# Altium PCB Mixed_Signal_Board_PCB.PcbDoc (part 1 of 4) (continued)
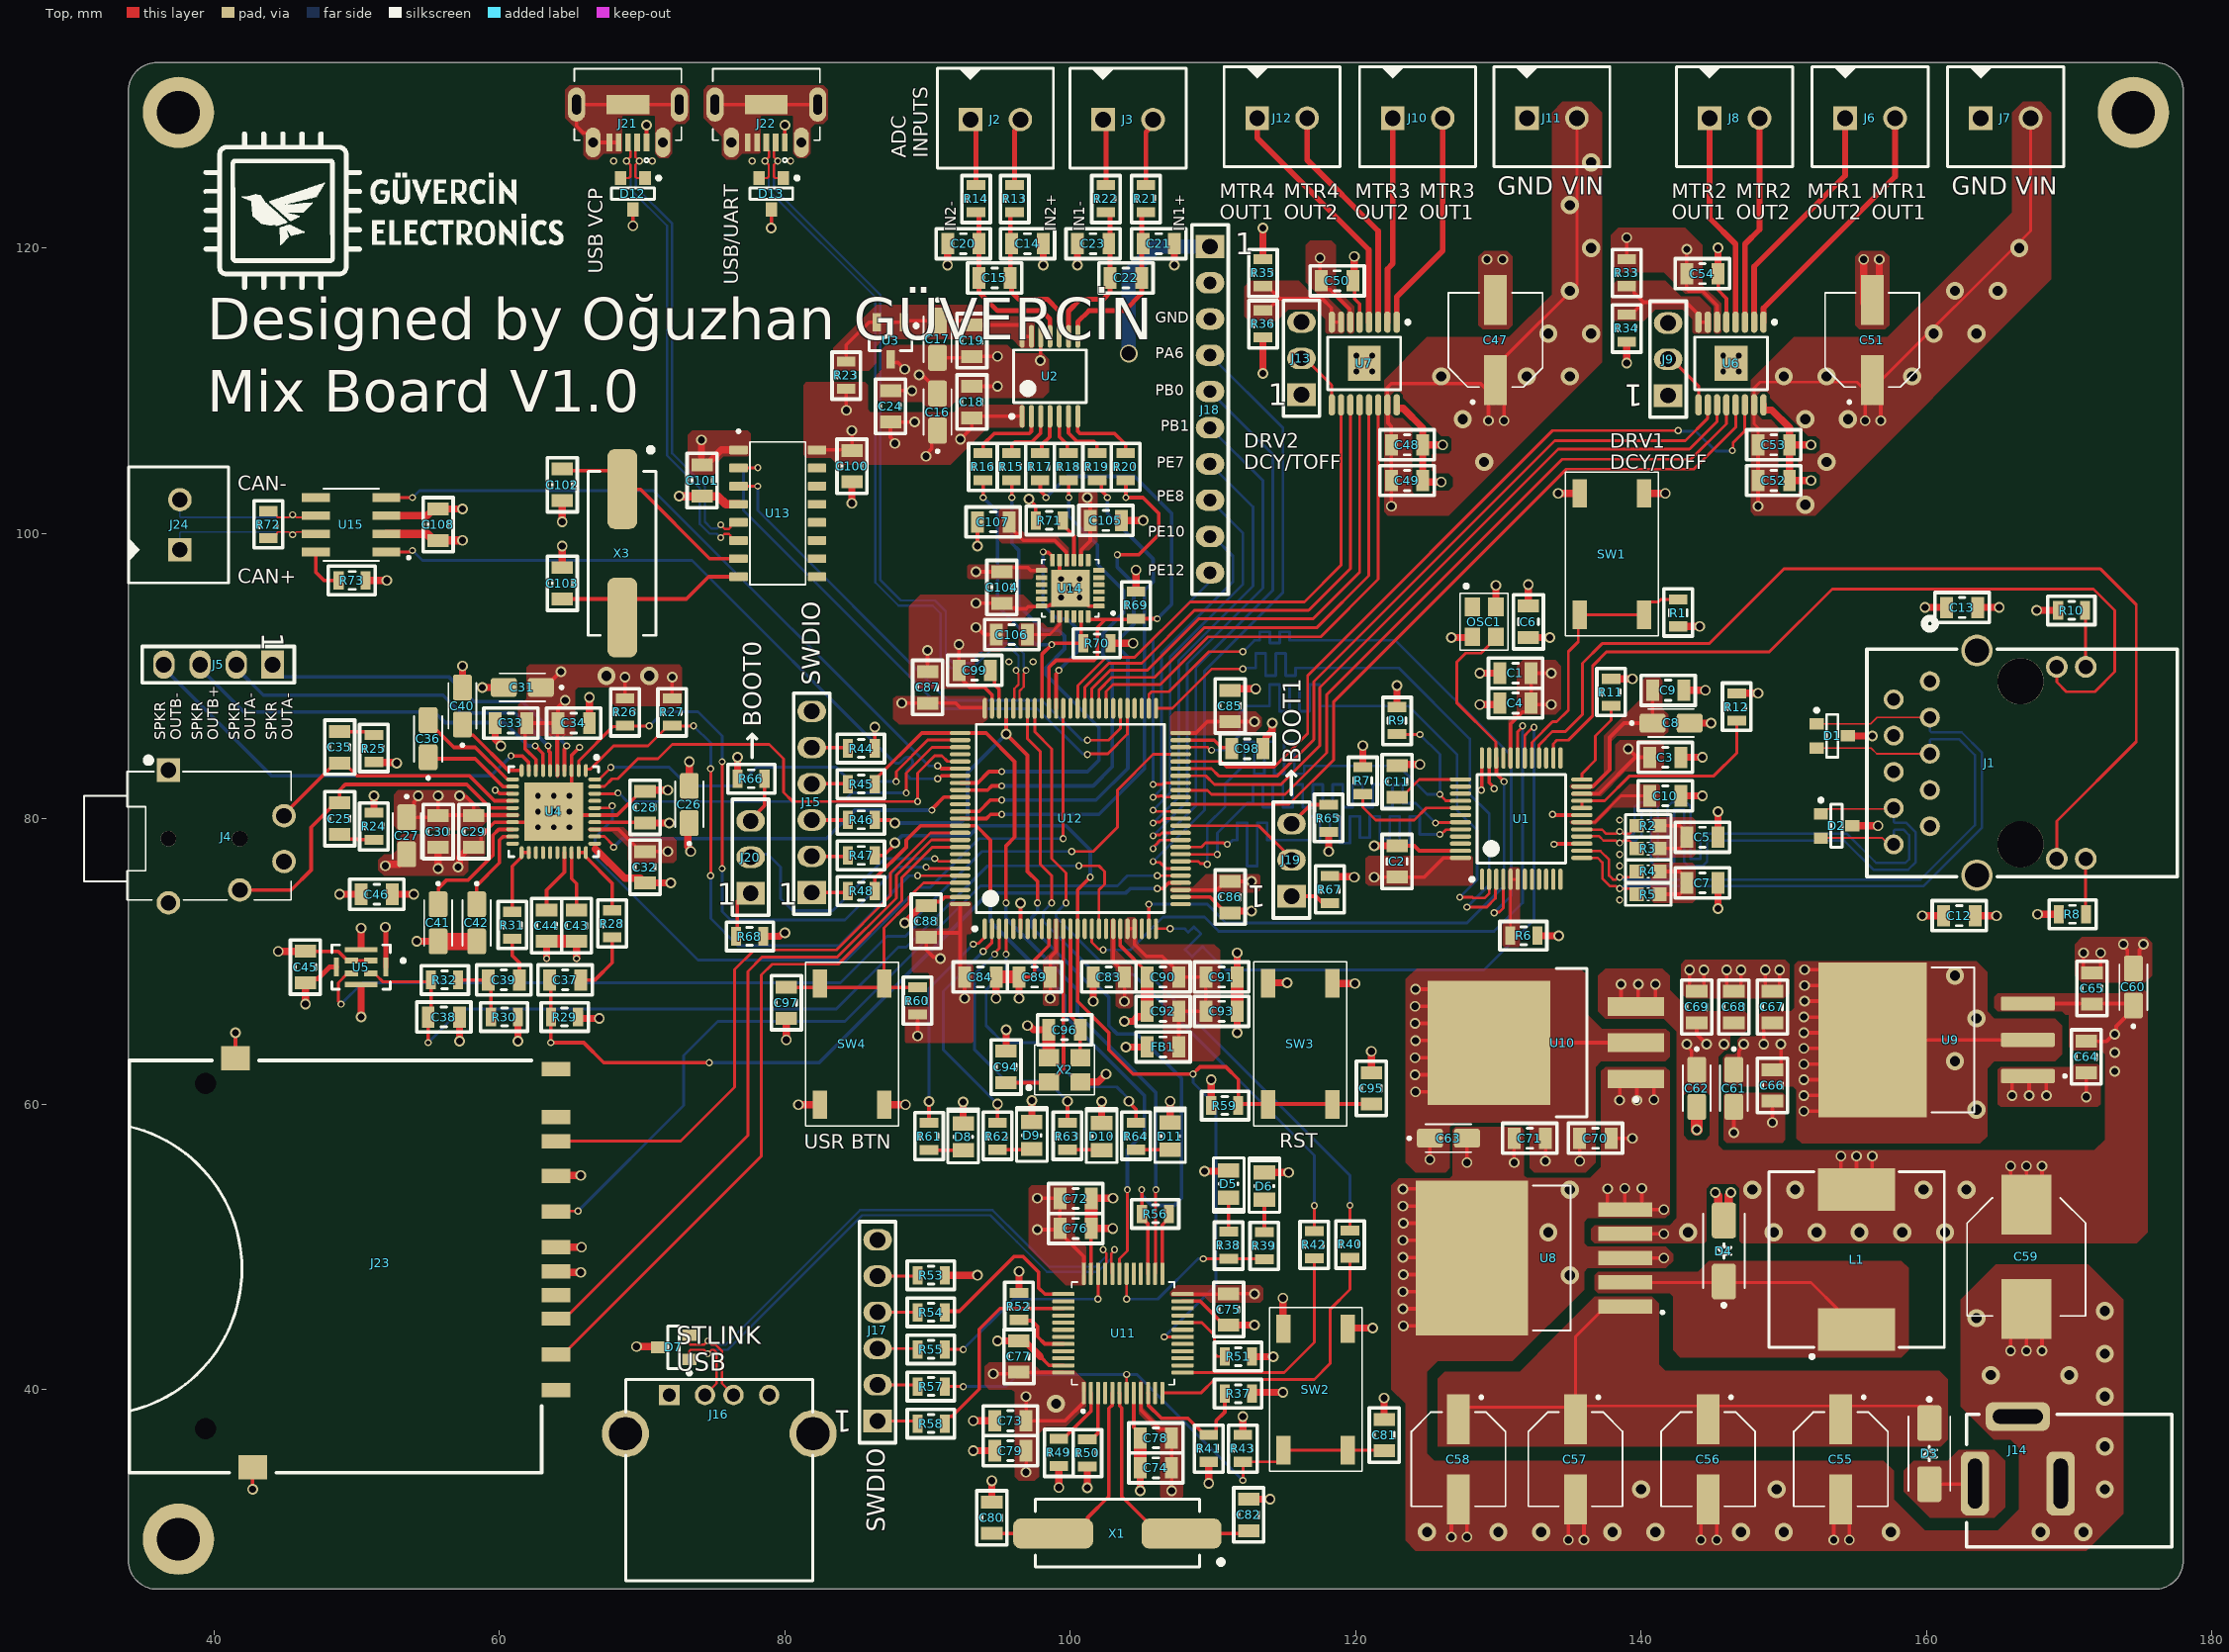
[diagram p0: Top view]
## Classes and differential pairs
net class SD: SD_CS SD_MISO SD_MOSI SD_SCK
differential pair class CAN_120OHM: CAN
net class STM_IO: ADC_BUFF_EN ADC_CLK ADC_MUX ADC_TEMP_EN CAN_RX CAN_TX CH340_RXD CH340_TXD DAC_LCLK DAC_MCLK DAC_RESET DAC_SCL DAC_SCLK DAC_SDA DAC_SDIN DRV1_AIN1 DRV1_AIN2 DRV1_BIN1 DRV1_BIN2 DRV1_SLEEP DRV2_AIN1 DRV2_AIN2 DRV2_BIN1 DRV2_BIN2 DRV2_SLEEP ETH_CRS_DV ETH_MDC ETH_MDIO ETH_REF_CLK ETH_RXD_0 ETH_RXD_1 ETH_TX_EN ETH_TXD_0 ETH_TXD_1 F407_USR_BTN IMU_INT IMU_SCL/ADC_SCLK IMU_SDA/ADC_DOUT LED_BLUE LED_GREEN LED_RED LED_YELLOW MIC_CLK MIC_DOUT PA0 PA3 PA4 PA6 PB0 PB1 PB7 PB14 PB15 PC0 PC3 PC6 PC11 PC13 PC14 PC15 PD5 PD10 PE1 PE6 PE7 PE8 PE10 PE12 SD_CS SD_MISO SD_MOSI SD_SCK STLINK_RX STLINK_TX USB_FS_N USB_FS_P
net class STLINKV2: NetR37_1 NetR40_1 NetR42_1 NetR51_1 NetR56_2 NetU11_11 NetU11_14 NetU11_15 NetU11_16 NetU11_17 NetU11_19 NetU11_21 NetU11_22 NetU11_28 NetU11_29 NetU11_38 NetU11_40 NetU11_41 NetU11_42 NetU11_43 NetU11_45 NetU11_46 STLINK_LED STLINK_RX STLINK_TX STLINK_USB_D_N STLINK_USB_D_P STM_JTCK/SWCLK STM_JTDO/SWO STM_JTMS/SWDIO STM_NRST T_JTCK/SWCLK T_JTMS/SWDIO T_NRST T_SWO
net class RMII: ETH_CRS_DV ETH_MDC ETH_MDIO ETH_RXD_0 ETH_RXD_1 ETH_TX_EN ETH_TXD_0 ETH_TXD_1 NetU1_1 NetU1_38 NetU1_39 NetU1_42 NetU1_45 NetU1_46
net class DAC_OUT: DAC_LCLK DAC_MCLK DAC_RESET DAC_SCL DAC_SCLK DAC_SDA DAC_SDIN
net class ADC_OUT: ADC_BUFF_EN ADC_CLK ADC_MUX ADC_TEMP_EN IMU_SCL/ADC_SCLK IMU_SDA/ADC_DOUT
net class ADC_IN: AINN1 AINN2 AINP1 AINP2
differential pair class USB_90OHM: CH340_USB STLINK_USB_D USB_FS
differential pair class ETH_100OHM: RD TD
component class "STM32F407 MCU": C83 C84 C85 C86 C87 C88 C89 C90 C91 C92 C93 C94 C95 C96 C97 C98 C99 D8 D9 D10 D11 FB1 J18 J19 J20 R59 R60 R61 R62 R63 R64 R65 R66 R67 R68 SW3 SW4 U12 X2
component class "STM32F103 MCU": C72 C73 C74 C75 C76 C77 C78 C79 C80 C81 C82 D5 D6 D7 J15 J16 J17 R37 R38 R39 R40 R41 R42 R43 R44 R45 R46 R47 R48 R49 R50 R51 R52 R53 R54 R55 R56 R57 R58 SW2 U11 X1
component class "Power Input and Buck Convertors": C55 C56 C57 C58 C59 C60 C61 C62 C63 C64 C65 C66 C67 C68 C69 C70 C71 D3 D4 J14 L1 U8 U9 U10
component class "Motor Driver": C47 C48 C49 C50 C51 C52 C53 C54 J6 J7 J8 J9 J10 J11 J12 J13 R33 R34 R35 R36 U6 U7
component class "IMU-SD Card-CAN-CH340": C100 C101 C102 C103 C104 C105 C106 C107 C108 D12 D13 J21 J22 J23 J24 R69 R70 R71 R72 R73 U13 U14 U15 X3
component class "Ethernet PHY": C1 C2 C3 C4 C5 C6 C7 C8 C9 C10 C11 C12 C13 D1 D2 J1 OSC1 R1 R2 R3 R4 R5 R6 R7 R8 R9 R10 R11 R12 SW1 U1
component class "DAC and MIC": C25 C26 C27 C28 C29 C30 C31 C32 C33 C34 C35 C36 C37 C38 C39 C40 C41 C42 C43 C44 C45 C46 J4 J5 R24 R25 R26 R27 R28 R29 R30 R31 R32 U4 U5
component class ADC: C14 C15 C16 C17 C18 C19 C20 C21 C22 C23 C24 J2 J3 R13 R14 R15 R16 R17 R18 R19 R20 R21 R22 R23 U2 U3
differential pair USB_FS: +USB_FS_P -USB_FS_N
differential pair TD: +TD_P -TD_N
differential pair STLINK_USB_D: +STLINK_USB_D_P -STLINK_USB_D_N
differential pair RD: +RD_P -RD_N
differential pair CH340_USB: +CH340_USB_P -CH340_USB_N
differential pair CAN: +CAN_P -CAN_N

## Components (designator, comment, footprint, x,y, rotation, side; value= is the part's Value field where it differs from the comment)
C1 "CAP_0.1uF_%20_50V_0805_X7R_CER" 0805_CAP 131.2,90.2 r0 top
C2 "CAP_0.1uF_%20_50V_0805_X7R_CER" 0805_CAP 122.9,77 r270 top
C3 "CAP_0.1uF_%20_50V_0805_X7R_CER" 0805_CAP 141.7,84.3 r180 top
C4 "CAP_10nF_%10_50V_0805_X7R_CER" 0805_CAP 131.2,88.1 r0 top
C5 "CAP_0.1uF_50V_0805_X7R_CER" 0805_CAP 144.3,78.7 r180 top
C6 "CAP_0.1uF_50V_0805_X7R_CER" 0805_CAP 132.1,93.8 r90 top
C7 "CAP_0.1uF_50V_0805_X7R_CER" 0805_CAP 144.3,75.5 r180 top
C8 "CAP_10uF_10V_10%_1206_TANT" 1206_TANT_CAP 142.1,86.7 r0 top
C9 "CAP_0.1uF_%20_50V_0805_X7R_CER" 0805_CAP 141.9,89 r180 top
C10 "CAP_0.1uF_%20_50V_0805_X7R_CER" 0805_CAP 141.7,81.6 r180 top
C11 "CAP_0.1uF_%20_50V_0805_X7R_CER" 0805_CAP 122.9,82.6 r270 top
C12 "CAP_0.1uF_50V_0805_X7R_CER" 0805_CAP 162.3,73.2 r0 top
C13 "CAP_0.1uF_50V_0805_X7R_CER" 0805_CAP 162.5,94.8 r0 top
C14 "CAP_220pF_50V_0805_C0G/NP0_CER" 0805_CAP 97,120.3 r0 top
C15 "CAP_0.1uF_50V_0805_X7R_CER" 0805_CAP 94.7,117.9 r0 top
C16 "CAP_10uF_10V_10%_1206_TANT" 1206_TANT_CAP 90.7,108.5 r90 top
C17 "CAP_10uF_10V_10%_1206_TANT" 1206_TANT_CAP 90.7,113.6 r270 top
C18 "CAP_0.1uF_50V_0805_X7R_CER" 0805_CAP 93.1,109.2 r270 top
C19 "CAP_0.1uF_50V_0805_X7R_CER" 0805_CAP 93.1,113.5 r90 top
C20 "CAP_220pF_50V_0805_C0G/NP0_CER" 0805_CAP 92.5,120.3 r0 top
C21 "CAP_220pF_50V_0805_C0G/NP0_CER" 0805_CAP 106.2,120.3 r0 top
C22 "CAP_0.1uF_50V_0805_X7R_CER" 0805_CAP 103.9,117.9 r0 top
C23 "CAP_220pF_50V_0805_C0G/NP0_CER" 0805_CAP 101.6,120.3 r0 top
C24 "CAP_10nF_%10_50V_0805_X7R_CER" 0805_CAP 87.4,108.9 r270 top
C25 "CAP_22nF_50V_0805_X7R_CER" 0805_CAP 48.8,80 r270 top
C26 "CAP_1uF_10%_16V_1206_TANT" 1206_TANT_CAP 73.3,81 r90 top
C27 "CAP_1uF_10%_16V_1206_TANT" 1206_TANT_CAP 53.5,78.8 r270 top
C28 "CAP_0.1uF_50V_0805_X7R_CER" 0805_CAP 70.2,80.8 r270 top
C29 "CAP_0.1uF_50V_0805_X7R_CER" 0805_CAP 58.2,79.1 r90 top
C30 "CAP_0.1uF_50V_0805_X7R_CER" 0805_CAP 55.7,79.1 r90 top
C31 "CAP_10uF_10V_10%_1206_TANT" 1206_TANT_CAP 61.6,89.2 r180 top
C32 "CAP_0.1uF_50V_0805_X7R_CER" 0805_CAP 70.2,76.6 r90 top
C33 "CAP_0.1uF_50V_0805_X7R_CER" 0805_CAP 60.8,86.7 r0 top
C34 "CAP_0.1uF_50V_0805_X7R_CER" 0805_CAP 65.2,86.7 r180 top
C35 "CAP_22nF_50V_0805_X7R_CER" 0805_CAP 48.8,85 r90 top
C36 "CAP_1uF_10%_16V_1206_TANT" 1206_TANT_CAP 55,85.6 r90 top
C37 "1uF" 0805_CAP 64.6,68.7 r180 top
C38 "CAP_10nF_%10_50V_0805_X7R_CER" 0805_CAP 56.1,66.1 r180 top
C39 "1uF" 0805_CAP 60.3,68.7 r180 top
C40 "CAP_1uF_10%_16V_1206_TANT" 1206_TANT_CAP 57.4,87.9 r90 top
C41 "CAP_10uF_10V_10%_1206_TANT" 1206_TANT_CAP 55.7,72.7 r270 top
C42 "CAP_1uF_10%_16V_1206_TANT" 1206_TANT_CAP 58.4,72.7 r270 top
C43 "CAP_150pF_%5_50V_0805_C0G/NP0_CER" 0805_CAP 65.4,72.5 r90 top
C44 "CAP_150pF_%5_50V_0805_C0G/NP0_CER" 0805_CAP 63.3,72.5 r90 top
C45 "CAP_0.1uF_50V_0805_X7R_CER" 0805_CAP 46.4,69.6 r90 top
C46 "1uF" 0805_CAP 51.4,74.7 r0 top
C47 "CAP_100uF_%20_25V_ALUM_SMD" RADIAL-2_6.3MMX7.7MM 129.8,113.55 r90 top
C48 "CAP_0.1uF_50V_0805_X7R_CER" 0805_CAP 123.6,106.2 r180 top
C49 "CAP_0.1uF_50V_0805_X7R_CER" 0805_CAP 123.6,103.7 r180 top
C50 "CAP_0.47uF_%10_0805_25V_X7R_CER" 0805_CAP 118.7,117.7 r180 top
C51 "CAP_100uF_%20_25V_ALUM_SMD" RADIAL-2_6.3MMX7.7MM 156.2,113.55 r90 top
C52 "CAP_0.1uF_50V_0805_X7R_CER" 0805_CAP 149.3,103.7 r180 top
C53 "CAP_0.1uF_50V_0805_X7R_CER" 0805_CAP 149.3,106.2 r180 top
C54 "CAP_0.47uF_%10_0805_25V_X7R_CER" 0805_CAP 144.3,118.2 r180 top
C55 "CAP_100uF_%20_25V_ALUM_SMD" RADIAL-2_6.3MMX7.7MM 154,35.1 r270 top
C56 "CAP_100uF_%20_25V_ALUM_SMD" RADIAL-2_6.3MMX7.7MM 144.7,35.1 r270 top
C57 "CAP_100uF_%20_25V_ALUM_SMD" RADIAL-2_6.3MMX7.7MM 135.4,35.1 r270 top
C58 "CAP_100uF_%20_25V_ALUM_SMD" RADIAL-2_6.3MMX7.7MM 127.2,35.1 r270 top
C59 "CAP_330uF_%20_25V_ALUM_SMD" RADIAL-2_8MMX10MM 167,49.3 r270 top
C60 "CAP_10uF_10%_1206_10V_TANT" 1206_TANT_CAP 174.5,68.2 r90 top
C61 "CAP_10uF_10%_1206_10V_TANT" 1206_TANT_CAP 146.5,61.1 r270 top
C62 "CAP_10uF_10%_1206_10V_TANT" 1206_TANT_CAP 143.9,61.1 r270 top
C63 "CAP_10uF_10%_1206_10V_TANT" 1206_TANT_CAP 126.5,57.6 r0 top
C64 "1uF" 0805_CAP 171.2,63.3 r90 top
C65 "CAP_0.1uF_%20_50V_0805_X7R_CER" 0805_CAP 171.6,68.1 r270 top
C66 "CAP_0.1uF_%20_50V_0805_X7R_CER" 0805_CAP 149.2,61.3 r90 top
C67 "1uF" 0805_CAP 149.2,66.8 r270 top
C68 "1uF" 0805_CAP 146.5,66.8 r270 top
C69 "CAP_0.1uF_%20_50V_0805_X7R_CER" 0805_CAP 143.9,66.8 r270 top
C70 "CAP_0.1uF_%20_50V_0805_X7R_CER" 0805_CAP 136.8,57.6 r180 top
C71 "1uF" 0805_CAP 132.2,57.6 r0 top
C72 "CAP_4.7uF_%10_0805_25V_X7R_CER" 0805_CAP 100.378,53.379 r180 top
C73 "1uF" 0805_CAP 95.8,37.8 r0 top
C74 "1uF" 0805_CAP 106,34.5 r0 top
C75 "CAP_0.1uF_%20_50V_0805_X7R_CER" 0805_CAP 111.1,45.6 r90 top
C76 "CAP_0.1uF_%20_50V_0805_X7R_CER" 0805_CAP 100.378,51.279 r180 top
C77 "CAP_0.1uF_%20_50V_0805_X7R_CER" 0805_CAP 96.4,42.3 r270 top
C78 "CAP_10nF_%10_50V_0805_X7R_CER" 0805_CAP 106,36.6 r0 top
C79 "CAP_10nF_%10_50V_0805_X7R_CER" 0805_CAP 95.8,35.7 r0 top
C80 "CAP_20pF_5%_50V_0805_C0G/NP0_CER" 0805_CAP 94.5,31 r270 top
C81 "CAP_100nF_50V_0805_C0G_CER" 0805_CAP 122,36.8 r90 top
C82 "CAP_20pF_5%_50V_0805_C0G/NP0_CER" 0805_CAP 112.5,31.2 r270 top
C83 "CAP_4.7uF_%10_0805_25V_X7R_CER" 0805_CAP 102.7,68.9 r0 top
C84 "CAP_0.1uF_%20_50V_0805_X7R_CER" 0805_CAP 93.7,68.9 r180 top
C85 "CAP_0.1uF_%20_50V_0805_X7R_CER" 0805_CAP 111.2,87.9 r270 top
C86 "CAP_0.1uF_%20_50V_0805_X7R_CER" 0805_CAP 111.2,74.5 r90 top
C87 "CAP_0.1uF_%20_50V_0805_X7R_CER" 0805_CAP 90,89.2 r270 top
C88 "CAP_0.1uF_%20_50V_0805_X7R_CER" 0805_CAP 89.9,72.8 r270 top
C89 "CAP_0.1uF_%20_50V_0805_X7R_CER" 0805_CAP 97.5,68.9 r0 top
C90 "CAP_0.1uF_%20_50V_0805_X7R_CER" 0805_CAP 106.5,68.9 r0 top
C91 "CAP_0.1uF_%20_50V_0805_X7R_CER" 0805_CAP 110.6,68.9 r180 top
C92 "1uF" 0805_CAP 106.5,66.5 r0 top
C93 "1uF" 0805_CAP 110.6,66.5 r180 top
C94 "CAP_10pF_%10_0805_50V_C0G/NPO_CER" 0805_CAP 95.5,62.6 r270 top
C95 "CAP_100nF_50V_0805_C0G_CER" 0805_CAP 121.1,61.1 r90 top
C96 "CAP_10pF_%10_0805_50V_C0G/NPO_CER" 0805_CAP 99.6,65.2 r0 top
C97 "CAP_100nF_50V_0805_C0G_CER" 0805_CAP 80.1,67.1 r270 top
C98 "2.2uF" 0805_CAP 112.4,84.9 r180 top
C99 "2.2uF" 0805_CAP 93.3,90.4 r0 top
C100 "CAP_0.1uF_%20_50V_0805_X7R_CER" 0805_CAP 84.7,104.7 r90 top
C101 "CAP_10nF_%10_50V_0805_X7R_CER" 0805_CAP 74.2,103.7 r270 top
C102 "CAP_30pF_%5_50V_0805_C0G/NP0_CER" 0805_CAP 64.4,103.4 r90 top
C103 "CAP_30pF_%5_50V_0805_C0G/NP0_CER" 0805_CAP 64.4,96.5 r270 top
C104 "CAP_0.1uF_%20_50V_0805_X7R_CER" 0805_CAP 95.2,96.2 r90 top
C105 "CAP_10nF_%10_50V_0805_X7R_CER" 0805_CAP 102.5,100.9 r180 top
C106 "CAP_2200pF_%10_50V_0805_X7R_CER" 0805_CAP 95.9,92.9 r0 top
C107 "CAP_0.1uF_%20_50V_0805_X7R_CER" 0805_CAP 94.6,100.8 r0 top
C108 "CAP_0.1uF_%20_50V_0805_X7R_CER" 0805_CAP 55.7,100.6 r90 top
D1 "DIODE_TVS_3.3VWM_8VC_SOT23" SOT170P237X110-3N 153.4,85.8 r0 top
D2 "DIODE_TVS_3.3VWM_8VC_SOT23" SOT170P237X110-3N 153.7,79.5 r0 top
D3 "D1FH3/5053" DIOM5226X220N_D1FH3/5053 160.2,35.5 r270 top
D4 "DIODE_SCHOTTKY_60V_3A_DO-214AC/SMA" DIOM5226X220N-SMA 145.8,49.7 r90 top
D5 "Red" DIOC2114X07N-0805-LED-RED 111.1,54.4 r90 top
D6 "Green" DIOC2114X07N-0805-LED-GREEN 113.6,54.25 r270 top
D7 "DIODE_TVS_3.3VWM_8VC_SOT23" SOT170P237X110-3N 72.2,42.95 r180 top
D8 "Blue" DIOC2114X07N-0805-LED-BLUE 92.5,57.7 r270 top
D9 "Green" DIOC2114X07N-0805-LED-GREEN 97.3,57.8 r270 top
D10 "Red" DIOC2114X07N-0805-LED-RED 102.2,57.725 r270 top
D11 "Yellow" DIOC2114X07N-0805-LED-YELLOW 107,57.75 r270 top
D12 "DIODE_TVS_3.3VWM_8VC_SOT23" SOT170P237X110-3N 69.35,123.8 r270 top
D13 "DIODE_TVS_3.3VWM_8VC_SOT23" SOT170P237X110-3N 79.05,123.8 r270 top
FB1 "FERRITE BEAD_330 OHM_70 mOHM DCR_0805_1LN" 0805_FB 106.5,64 r0 top
J1 "ARJM11C7-114-BA-EW2" ARJM11C7-114-BA-EW2_ABR 160.24,89.63 r90 top
J2 "CONN_1X2_Terminal Block" "1X2_TERMINAL BLOCK" 93,129 r0 top
J3 "CONN_1X2_Terminal Block" "1X2_TERMINAL BLOCK" 102.3,129 r0 top
J4 "SJ-43515TS" "CONN TRSS HEADPHONE JACK" 39.4,78.6 r0 top
J5 "CONN_1X4_2.54mm_Male Header" DIP_1X4_MALE_HEADER_2.54_PITCH 44.1,90.8 r180 top
J6 "CONN_1X2_Terminal Block" "1X2_TERMINAL BLOCK" 154.3,129.1 r0 top
J7 "CONN_1X2_Terminal Block" "1X2_TERMINAL BLOCK" 163.8,129.1 r0 top
J8 "CONN_1X2_Terminal Block" "1X2_TERMINAL BLOCK" 144.8,129.1 r0 top
J9 "CONN_1X3_2.54mm_Male Header" DIP_1X3_MALE_HEADER_2.54_PITCH 141.9,109.66 r90 top
J10 "CONN_1X2_Terminal Block" "1X2_TERMINAL BLOCK" 122.6,129.1 r0 top
J11 "CONN_1X2_Terminal Block" "1X2_TERMINAL BLOCK" 132,129.1 r0 top
J12 "CONN_1X2_Terminal Block" "1X2_TERMINAL BLOCK" 113.1,129.1 r0 top
J13 "CONN_1X3_2.54mm_Male Header" DIP_1X3_MALE_HEADER_2.54_PITCH 116.2,109.72 r90 top
J14 "CON_JACK_POWER_PCB TYPE_2MM_KLS" DC_POWER_JACK_2MM 169.4,33.4 r0 top
J15 "CONN_1X6_2.54m_Male Header" DIP_1X6_MALE_HEADER_2.54_PITCH 81.879,74.822 r90 top
J16 "CONN_RCPT_USB-TYPE A_A1HSW6" USB_2.0_B_OST_USB-A1HSW6 75.4,33.1 r0 top
J17 "CONN_1X6_2.54m_Male Header" DIP_1X6_MALE_HEADER_2.54_PITCH 86.5,37.78 r90 top
J18 "1x10-Male Header" DIP_1X10_FEMALE_HEADER_2.54_PITCH 109.8,120.1 r270 top
J19 "CONN_1X3_2.54mm_Male Header" DIP_1X3_MALE_HEADER_2.54_PITCH 115.5,74.56 r90 top
J20 "CONN_1X3_2.54mm_Male Header" DIP_1X3_MALE_HEADER_2.54_PITCH 77.6,74.76 r90 top
J21 "Micro USB2.0" MICRO_USB2.0_CUI_UJ2-MIBH2-4-SMT 70.3,127.4 r270 top
J22 "Micro USB2.0" MICRO_USB2.0_CUI_UJ2-MIBH2-4-SMT 80,127.4 r270 top
J23 "CONN_SD CARD_L-KLS1-SD-001" "SD CARD L-KLS1-TF-003" 62.95,62.45 r270 top
J24 "CONN_1X2_Terminal Block" "1X2_TERMINAL BLOCK" 37.6,98.85 r90 top
L1 "IND_33uH_5A_65mOHM_12X12MM_SMD" INDP120120X800N 155.1,49.1 r90 top
OSC1 "ASE-50.000MHZ-ET" 4-SMD_CMOS_OSC_3.20MMX2.50 129,93.8 r270 top
R1 "RES_2.2K OHM_1%_0805_1/8W" 0805_RES 142.6,94.4 r270 top
R2 "RES_49.9 OHM_1%_0603_1/10W" 0603_RES 140.5,79.5 r180 top
R3 "RES_49.9 OHM_1%_0603_1/10W" 0603_RES 140.5,77.9 r0 top
R4 "RES_49.9 OHM_1%_0603_1/10W" 0603_RES 140.5,76.3 r180 top
R5 "RES_49.9 OHM_1%_0603_1/10W" 0603_RES 140.5,74.7 r0 top
R6 "RES_2.2K OHM_1%_0805_1/8W" 0805_RES 131.8,71.8 r0 top
R7 "RES_2.2K OHM_1%_0805_1/8W" 0805_RES 120.5,82.7 r90 top
R8 "RES_330 OHM_5%_0805_1/8W" 0805_RES 170.2,73.3 r180 top
R9 "RES_2.2K OHM_1%_0805_1/8W" 0805_RES 122.9,86.9 r90 top
R10 "RES_330 OHM_5%_0805_1/8W" 0805_RES 170.2,94.6 r0 top
R11 "RES_4.87K_OHM_1%_1/8W 0805" 0805_RES 137.9,88.825 r270 top
R12 "RES_2.2K OHM_1%_0805_1/8W" 0805_RES 146.7,87.8 r270 top
R13 "RES_301 OHM_1%_0805_1/8W" 0805_RES 96.1,123.475 r90 top
R14 "RES_301 OHM_1%_0805_1/8W" 0805_RES 93.4,123.475 r90 top
R15 "RES_100 OHM_1%_0805_1/8W" 0805_RES 95.877,104.7 r90 top
R16 "RES_100 OHM_1%_0805_1/8W" 0805_RES 93.877,104.7 r90 top
R17 "RES_100 OHM_1%_0805_1/8W" 0805_RES 97.877,104.7 r90 top
R18 "RES_100 OHM_1%_0805_1/8W" 0805_RES 99.877,104.7 r90 top
R19 "RES_100 OHM_1%_0805_1/8W" 0805_RES 101.877,104.7 r90 top
R20 "RES_100 OHM_1%_0805_1/8W" 0805_RES 103.877,104.7 r90 top
R21 "RES_301 OHM_1%_0805_1/8W" 0805_RES 105.3,123.475 r90 top
R22 "RES_301 OHM_1%_0805_1/8W" 0805_RES 102.5,123.475 r90 top
R23 "RES_1K OHM_1%_0805_1/8W" 0805_RES 84.3,111.1 r90 top
R24 "RES_51.1 OHM_1%_0805_1/8W" 0805_RES 51.2,79.5 r90 top
R25 "RES_51.1 OHM_1%_0805_1/8W" 0805_RES 51.2,84.9 r270 top
R26 "RES_2K OHM_1%_0805_1/8W_SMD" 0805_RES 68.8,87.5 r90 top
R27 "RES_2K OHM_1%_0805_1/8W_SMD" 0805_RES 72.1,87.5 r90 top
R28 "RES_100 OHM_1%_0805_1/8W" 0805_RES 67.9,72.6 r270 top
R29 "100kR" 0805_RES 64.525,66.1 r180 top
R30 "100kR" 0805_RES 60.375,66.1 r0 top
R31 "RES_100 OHM_1%_0805_1/8W" 0805_RES 60.9,72.5 r270 top
R32 "1.2kR" 0805_RES 56.125,68.7 r180 top
R33 "10k Ohms" 0805_RES 139,118.3 r90 top
R34 "10k Ohms" 0805_RES 139,114.4 r90 top
R35 "10k Ohms" 0805_RES 113.5,118.3 r90 top
R36 "10k Ohms" 0805_RES 113.5,114.7 r90 top
R37 "RES_4.7K OHM_5%_1/8W_0805" 0805_RES 111.8,39.7 r0 top
R38 "RES_330 OHM_5%_0805_1/8W" 0805_RES 111.1,50.125 r90 top
R39 "RES_330 OHM_5%_0805_1/8W" 0805_RES 113.6,50.1 r90 top
R40 "RES_0 OHM_JUMPER_0805_1/8W" 0805_RES 119.6,50.2 r90 top
R41 "RES_4.7K OHM_5%_1/8W_0805" 0805_RES 109.7,35.9 r90 top
R42 "RES_0 OHM_JUMPER_0805_1/8W" 0805_RES 117.1,50.175 r90 top
R43 "10k Ohms" 0805_RES 112.1,35.9 r90 top
R44 "RES_22 OHM_1%_1/8W_0805" 0805_RES 85.379,84.922 r0 top
R45 "RES_22 OHM_1%_1/8W_0805" 0805_RES 85.379,82.422 r0 top
R46 "RES_22 OHM_1%_1/8W_0805" 0805_RES 85.379,79.922 r0 top
R47 "RES_22 OHM_1%_1/8W_0805" 0805_RES 85.379,77.422 r0 top
R48 "RES_22 OHM_1%_1/8W_0805" 0805_RES 85.379,74.922 r0 top
R49 "10k Ohms" 0805_RES 99.2,35.6 r90 top
R50 "10k Ohms" 0805_RES 101.2,35.575 r90 top
R51 "10k Ohms" 0805_RES 111.8,42.3 r0 top
R52 "10k Ohms" 0805_RES 96.4,45.8 r270 top
R53 "RES_22 OHM_1%_1/8W_0805" 0805_RES 90.275,48 r0 top
R54 "RES_22 OHM_1%_1/8W_0805" 0805_RES 90.275,45.4 r0 top
R55 "RES_22 OHM_1%_1/8W_0805" 0805_RES 90.275,42.8 r0 top
R56 "RES_100 OHM_1%_0805_1/8W" 0805_RES 106,52.3 r0 top
R57 "RES_22 OHM_1%_1/8W_0805" 0805_RES 90.275,40.2 r0 top
R58 "RES_22 OHM_1%_1/8W_0805" 0805_RES 90.275,37.6 r0 top
R59 "10k Ohms" 0805_RES 110.8,59.9 r180 top
R60 "10k Ohms" 0805_RES 89.3,67.2 r270 top
R61 "RES_330 OHM_5%_0805_1/8W" 0805_RES 90.1,57.7 r270 top
R62 "RES_330 OHM_5%_0805_1/8W" 0805_RES 94.9,57.725 r270 top
R63 "RES_330 OHM_5%_0805_1/8W" 0805_RES 99.8,57.725 r270 top
R64 "RES_330 OHM_5%_0805_1/8W" 0805_RES 104.6,57.725 r270 top
R65 "10k Ohms" 0805_RES 118.1,80 r270 top
R66 "10k Ohms" 0805_RES 77.6,82.8 r180 top
R67 "10k Ohms" 0805_RES 118.2,75 r270 top
R68 "10k Ohms" 0805_RES 77.5,71.75 r180 top
R69 "RES_2K OHM_1%_0805_1/8W_SMD" 0805_RES 104.6,95 r90 top
R70 "RES_2K OHM_1%_0805_1/8W_SMD" 0805_RES 101.9,92.3 r0 top
R71 "10k Ohms" 0805_RES 98.5,100.9 r180 top
R72 "120R" 0805_RES 43.8,100.575 r270 top
R73 "10k Ohms" 0805_RES 49.7,96.7 r0 top
SW1 "SWITCH_TACTILE_SPST-NO_0.05A_12V" TACT_SWITCH_6MMX6MM 137.95,98.55 r270 top
SW2 "SWITCH_TACTILE_SPST-NO_0.05A_12V" TACT_SWITCH_6MMX6MM 117.2,40 r270 top
SW3 "SWITCH_TACTILE_SPST-NO_0.05A_12V" TACT_SWITCH_6MMX6MM 116.116,64.209 r270 top
SW4 "SWITCH_TACTILE_SPST-NO_0.05A_12V" TACT_SWITCH_6MMX6MM 84.7,64.2 r90 top
U1 "DP83848IVVX/NOPB" TSQFP50P900X900X160-48N 131.6,80 r90 top
U2 "ADS1222IPWR" TSOP65P640X120-14N 98.577,111 r90 top
U3 "IC_VREF_SHUNT_TL431CL3T" SOT95P237X112-3N 87.4,113.5 r270 top
U4 "IC_CODEC_CS43L22" QFN50P600X600X100_HS-41N 63.8,80.5 r270 top
U5 "IMP34DT05TR" MIC_IMP34DT05TR 50.3,69.6 r180 top
U6 "DRV8428PPWPR" TSOP65P640X120_HS-17N 146.3,111.9 r270 top
U7 "DRV8428PPWPR" TSOP65P640X120_HS-17N 120.6,111.9 r270 top
U8 "PMIC_LM2596S-5.0/NOPB" TO170P1524X483-6N 132.5,49.2 r180 top
U9 "PMIC_LIN REG_LM1085IS-3.3" TO254P1524X483-4N 160.7,64.5 r180 top
U10 "LD1085D2M18R" DPAK254P1542X460-4N 133.3,64.3 r180 top
U11 "STM32F103C8T6" QFP50P900X900X160-48N 103.698,43.929 r90 top locked
U12 "STM32F407VGT6" STM32F407_LQFP50P1600X1600X160-100N 100,80 r0 top locked
U13 "CH340G" SOIC127P600X180-16N 79.5,101.4 r0 top